# Altium PCB 1XGSH00_197制版1210.PcbDoc
Units mm, origin at the board's own origin, x right, y up, seen from the top; angles counter-clockwise.
Board outline 42 x 64 mm, 4 copper layers (Top Layer, GND, PWR, Bottom Layer), stack 0.778 mm thick; 144 components, 118 nets, 537 pads, 195 vias.
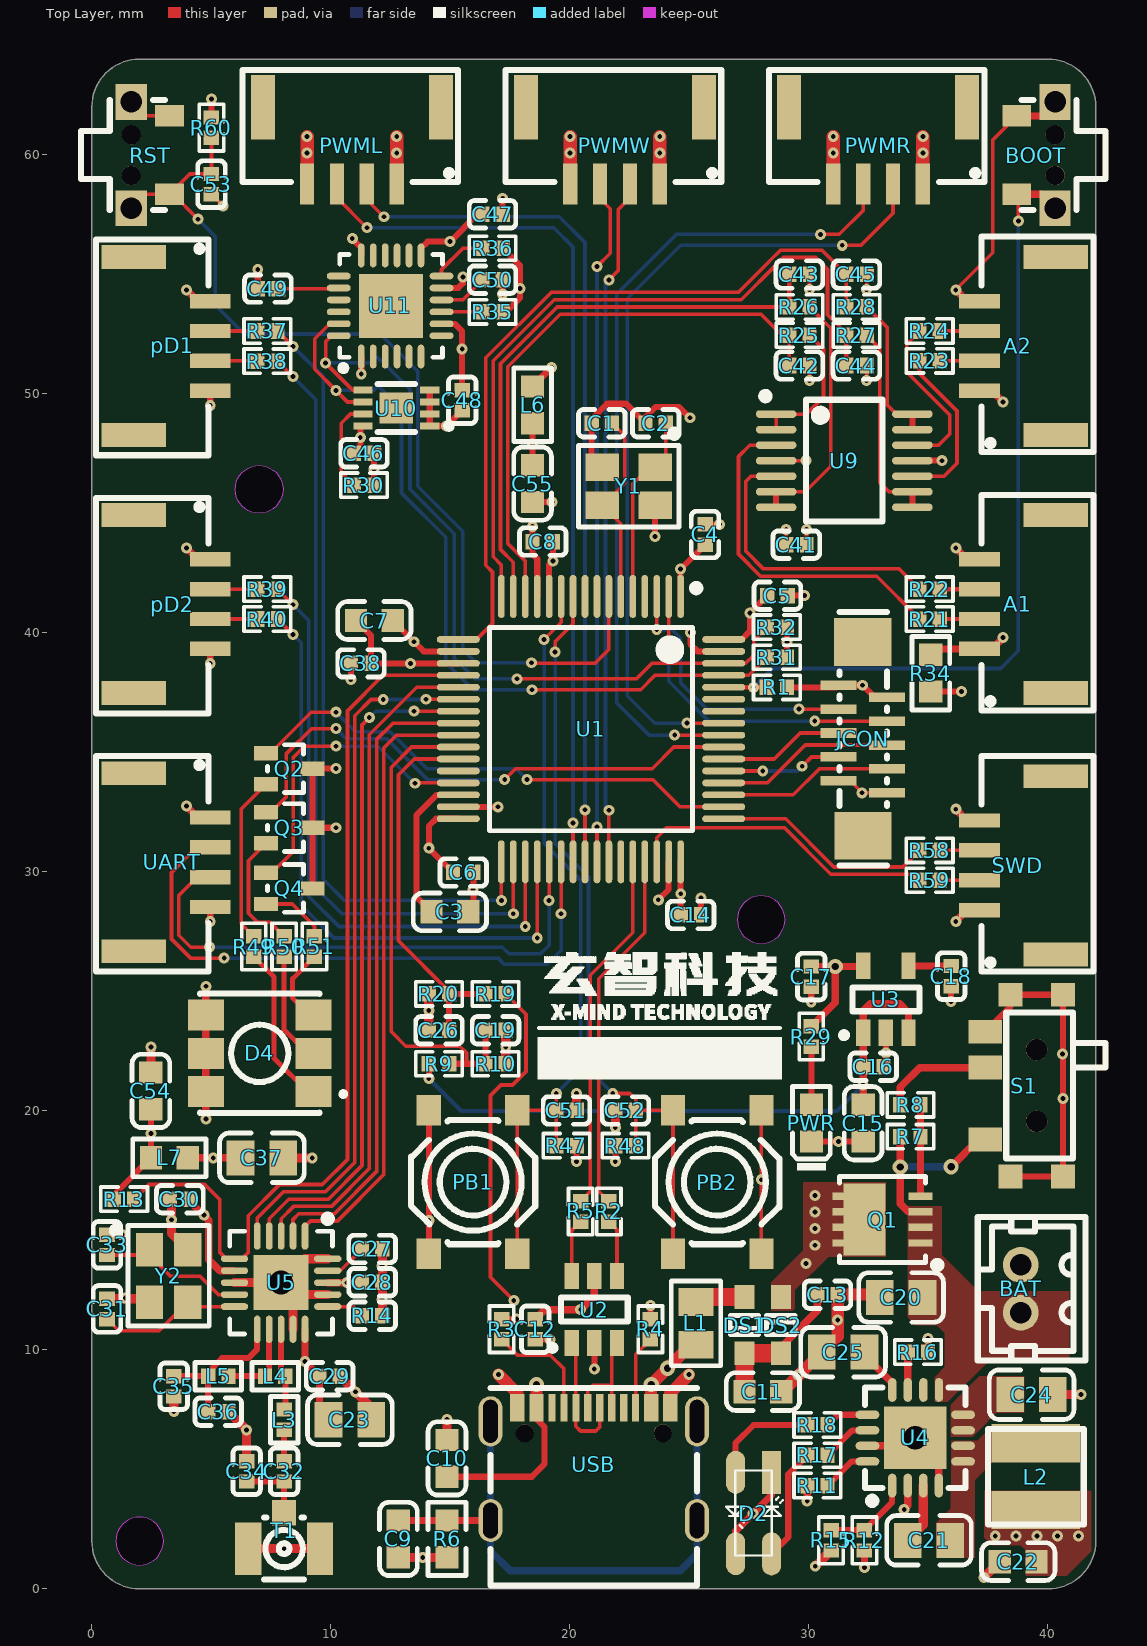
[diagram p0: Top Layer view]
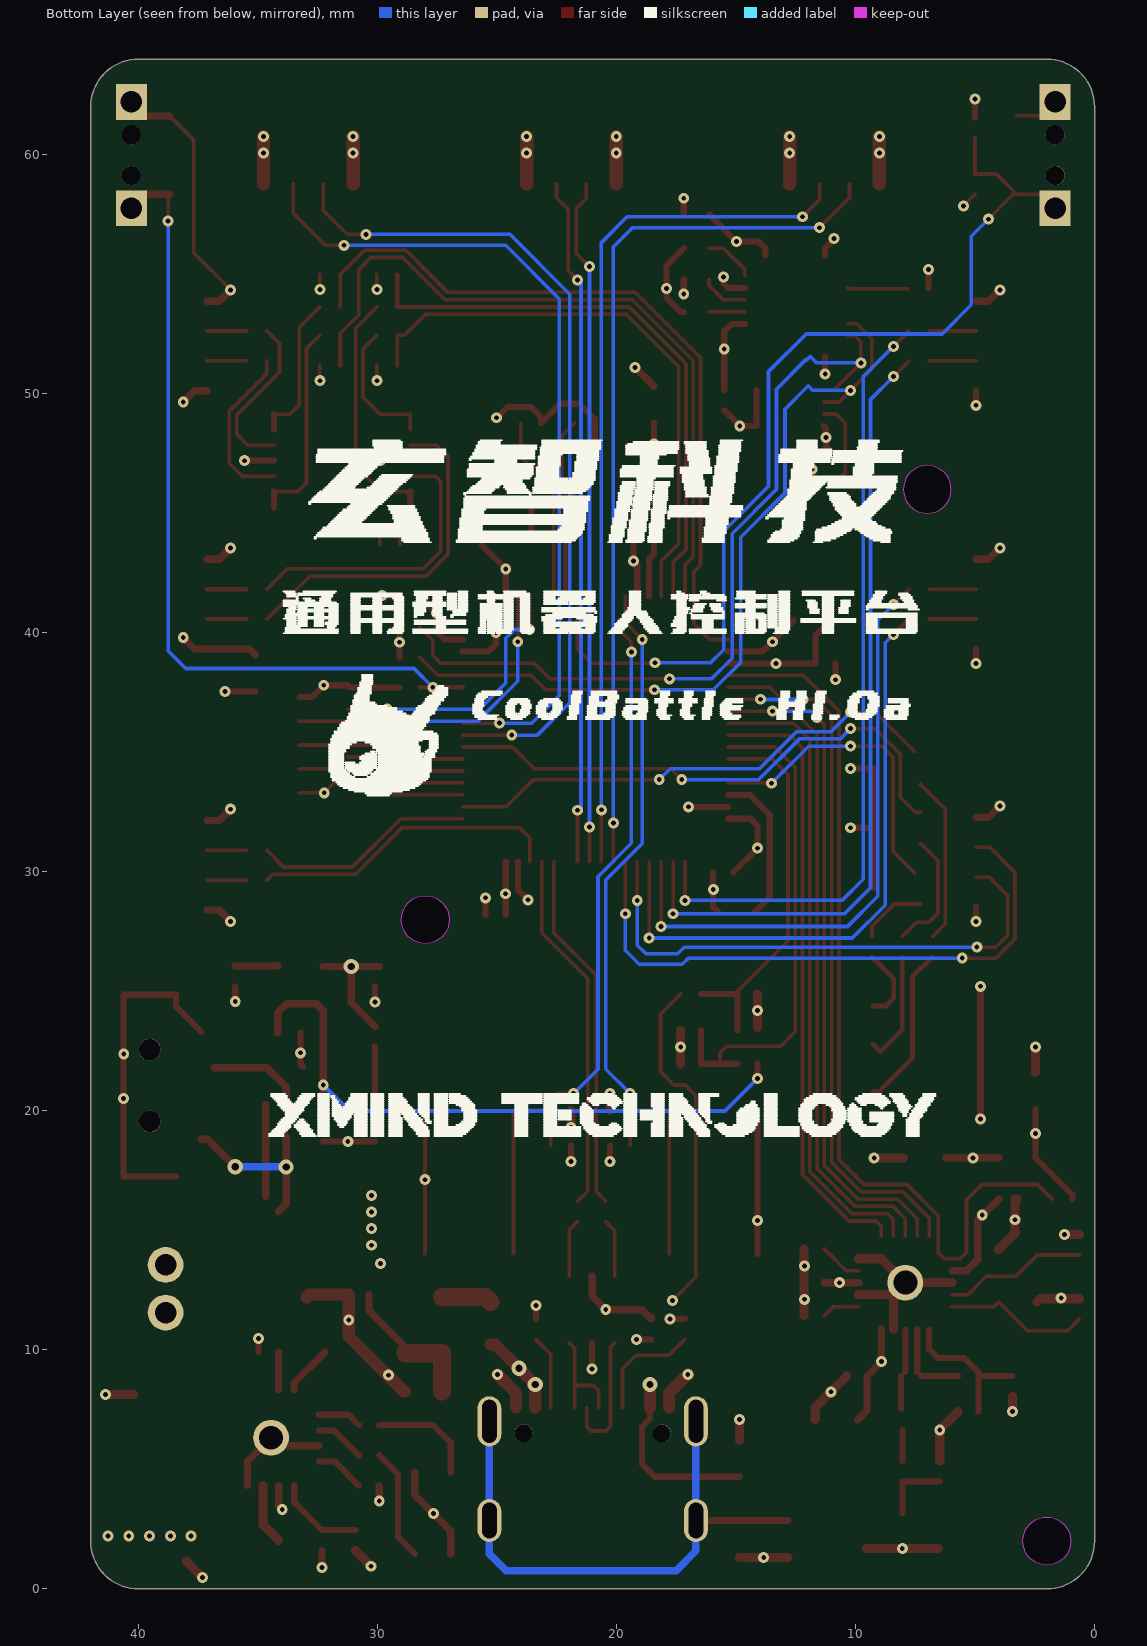
[diagram p1: Bottom Layer view, seen from below]
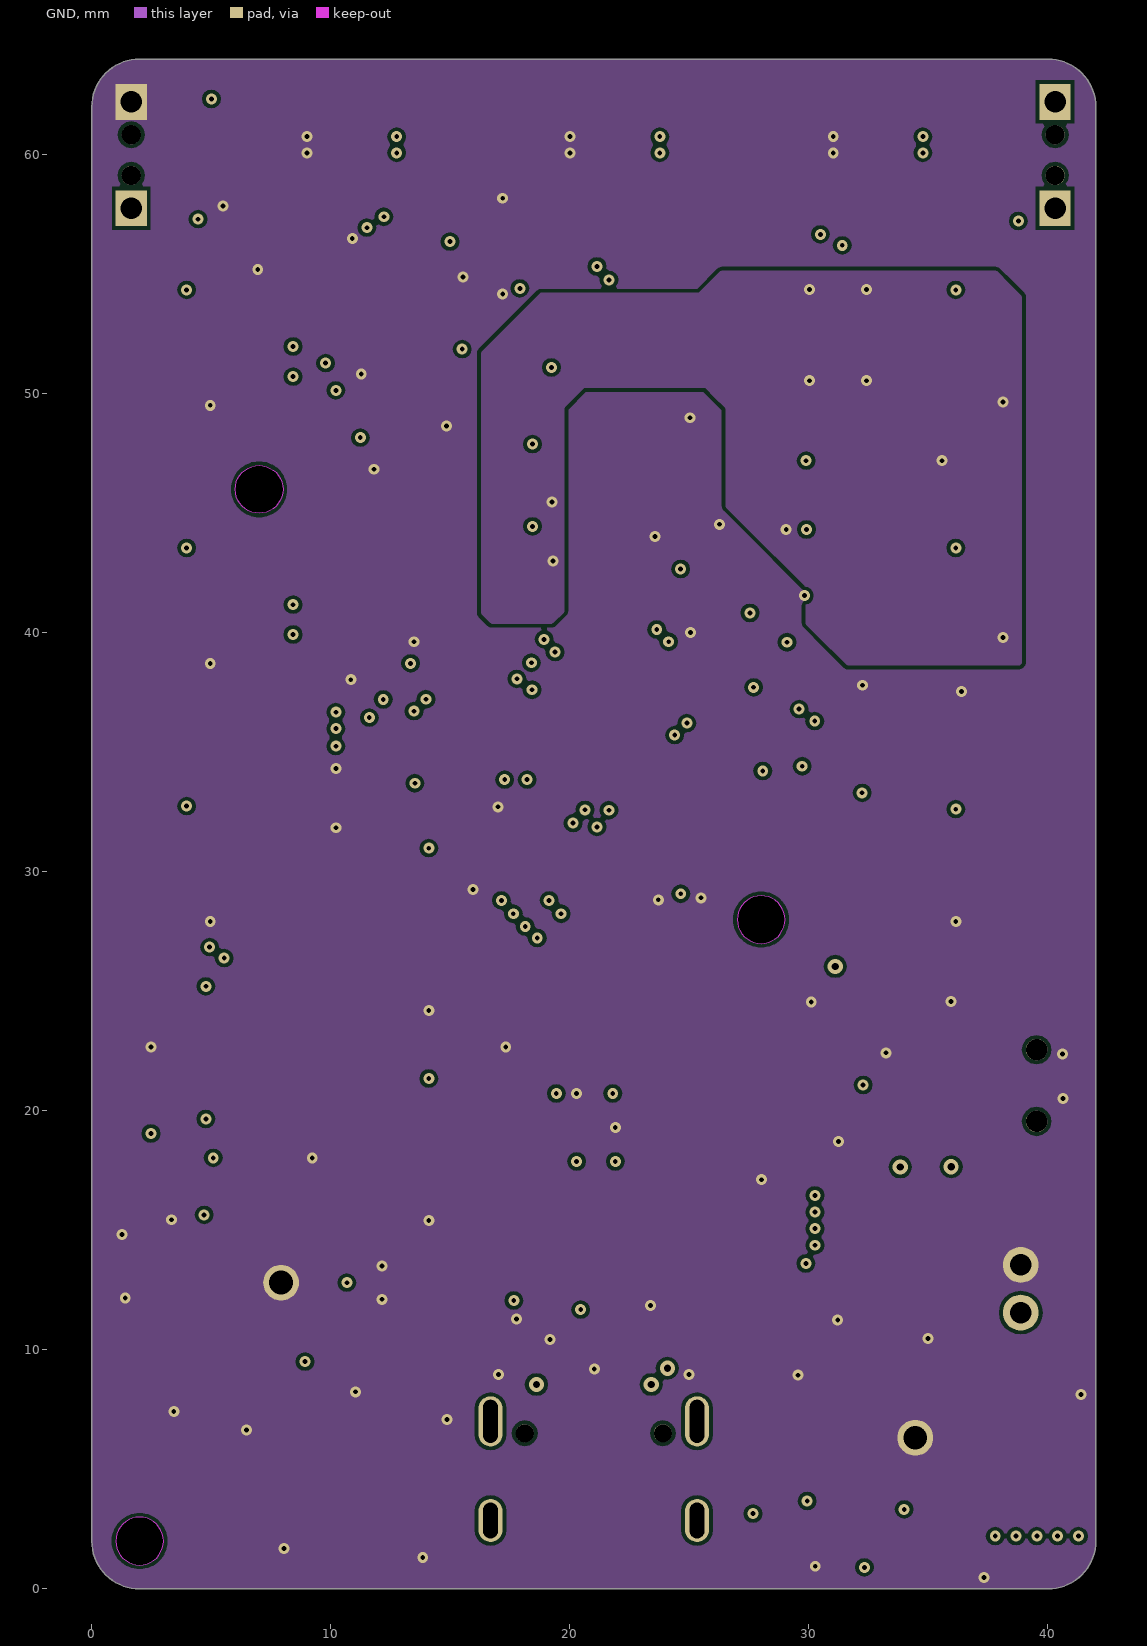
[diagram p2: GND]
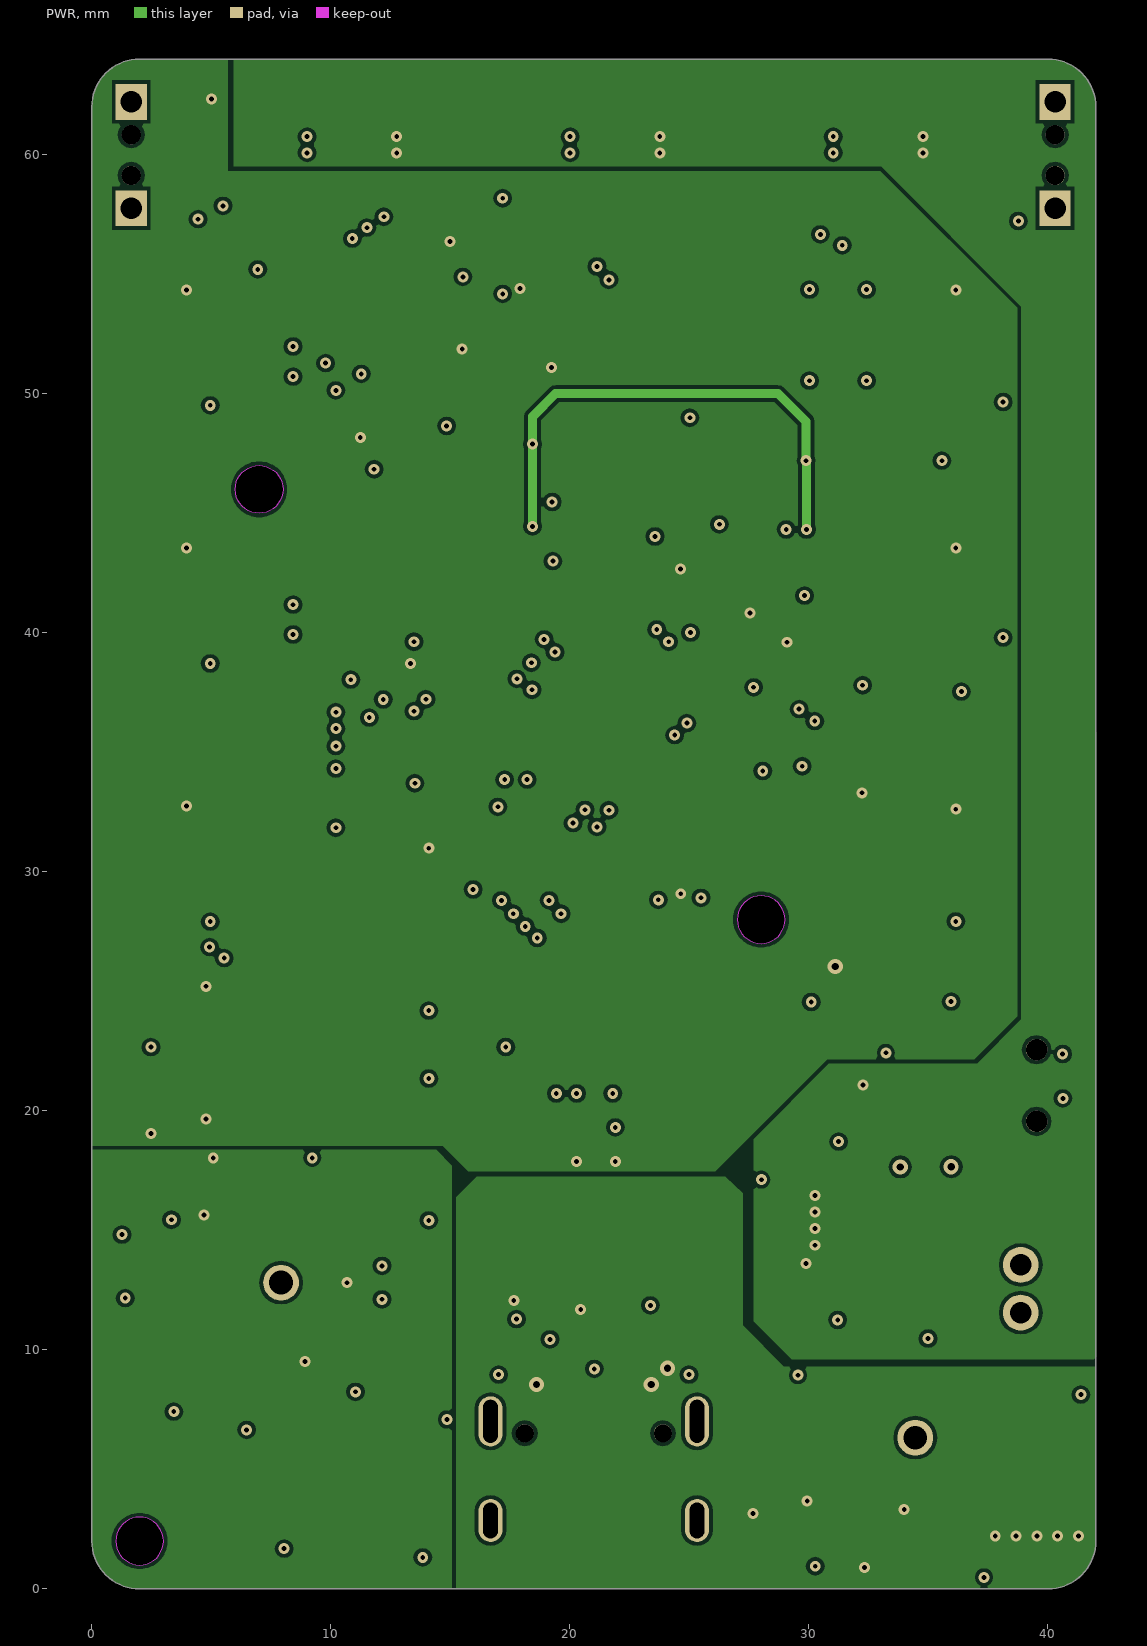
[diagram p3: PWR]
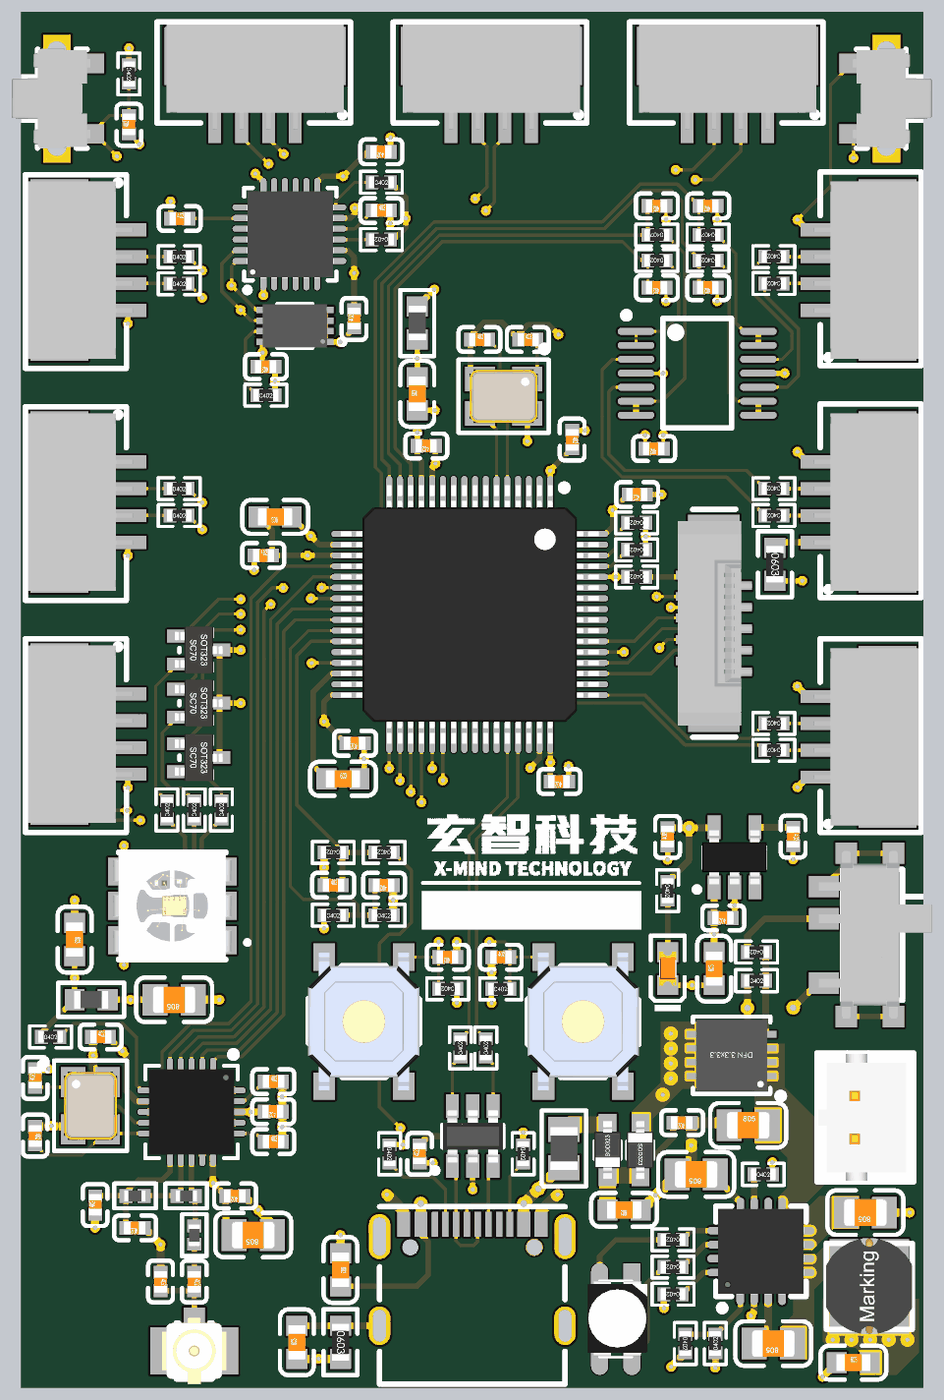
[diagram p4: 3D render of the assembled board from above, using the file's embedded part models]

## Layer stack, top to bottom
Top Solder: solder mask 0.0102, Solder Resist, Dk 3.5
Top Layer: signal copper 0.0356
Dielectric 1: core 0.254, FR-4, Dk 4.2
GND: signal copper 0.036
Dielectric 3: prepreg 0.127, Dk 4.2
PWR: signal copper 0.036
Dielectric 2: core 0.254, Dk 4.2
Bottom Layer: signal copper 0.0356
Bottom Solder: solder mask 0.0102, Solder Resist, Dk 3.5

## Board outline
0,2 ccw(c2,2) 2,0 40,0 ccw(c40,2) 42,2 42,62 ccw(c40,62) 40,64 2,64 ccw(c2,62) 0,62
cut-out: 7,45 cw(c7,46) 6,46 cw(c7,46) 7,47 cw(c7,46) 8,46 cw(c7,46)
cut-out: 27,28 ccw(c28,28) 28,27 ccw(c28,28) 29,28 ccw(c28,28) 28,29 ccw(c28,28)
cut-out: 1,2 ccw(c2,2) 2,1 ccw(c2,2) 3,2 ccw(c2,2) 2,3 ccw(c2,2)

## Design rules (kind name [scope] priority, off if disabled: settings)
Clearance [All] p1: gap=0.152 ignorepadtopadclearanceinfootprint=TRUE
DiffPairsRouting [All] p1: maxlimit=0.254 minlimit=0.152 mostfreqgap=0.203 toplayer_minwidth=0.152 toplayer_maxwidth=0.381 toplayer_prefwidth=0.203 midlayer1_minwidth=0.152 midlayer1_maxwidth=0.381 midlayer1_prefwidth=0.203 midlayer2_minwidth=0.152 midlayer2_maxwidth=0.381 midlayer2_prefwidth=0.203 bottomlayer_minwidth=0.152 bottomlayer_maxwidth=0.381 bottomlayer_prefwidth=0.203 maxuncoupledlength=12.7
PolygonConnect [All] p1: connectstyle=Direct reliefconductorwidth=0.254 reliefentries=4 polygonreliefangle="90 Angle" airgapwidth=0.254
RoutingVias [All] p1: holewidth=0.203 width=0.457 viastyle="Through Hole" minholewidth=0.203 minwidth=0.457 maxholewidth=0.711 maxwidth=1.27
SolderMaskExpansion [All] p1: expansion=0.102
Width [All] p1: maxlimit=0.762 minlimit=0.152 preferedwidth=0.203
29 further rules are at their usual default settings.

## Classes and differential pairs
component class U_1XGSH00_POWER: BAT C15 C16 C17 C18 C19 C20 C37 C54 C55 L6 L7 PWR Q1 R7 R8 R9 R10 R29 R34 S1 U3
component class U_1XGSH00_MOTOR: PWML PWMR PWMW
component class U_1XGSH00_MCU: BOOT C1 C2 C3 C4 C5 C6 C7 C8 C9 C10 C11 C12 C13 C14 C38 C53 DS1 DS2 L1 R1 R2 R3 R4 R5 R6 R58 R59 R60 RST SWD U1 U2 USB Y1
component class U_1XGSH00_LCD: JCON
component class U_1XGSH00_KEY_LED: C51 C52 D4 PB1 PB2 Q2 Q3 Q4 R47 R48 R49 R50 R51
component class U_1XGSH00_IMU: C47 C48 C49 C50 R35 R36 U11
component class U_1XGSH00_EEPROM: C46 R30 R31 R32 U10
component class U_1XGSH00_DIGITAL: pD1 pD2 R37 R38 R39 R40
component class U_1XGSH00_COMMUNICATION: C23 C27 C28 C29 C30 C31 C32 C33 C34 C35 C36 L3 L4 L5 R13 R14 T1 U5 Y2
component class U_1XGSH00_BATTERY: C21 C22 C24 C25 C26 D2 L2 R11 R12 R15 R16 R17 R18 R19 R20 U4
component class U_1XGSH00_ANALOG: A1 A2 C41 C42 C43 C44 C45 R21 R22 R23 R24 R25 R26 R27 R28 U9
component class 1XGSH00: UART
differential pair USBD: +USBD_P -USBD_N

## Components (designator, comment, footprint, x,y, rotation, side; value= is the part's Value field where it differs from the comment)
A1 "PH2.0-4Pin" X1251WRS-04HF-LPSW 38.735,41.2 r90 top
A2 "PH2.0-4Pin" X1251WRS-04HF-LPSW 38.735,52 r90 top
BAT "PH2.0" A2001WV-2P 38.862,12.557 r270 top
BOOT "Push Button" SW-SMD_TS-1010B-B-A 39.5,59.983 r270 top
C1 "12pF" 0402_C 21.336,48.768 r0 top
C2 "12pF" 0402_C 23.589,48.768 r0 top
C3 "4.7uF/16V" 0603_C 14.978,28.321 r0 top
C4 "100nF" 0402_C 25.654,44.113 r270 top
C5 "100nF" 0402_C 28.683,41.554 r180 top
C6 "100nF" 0402_C 15.538,29.972 r180 top
C7 "4.7uF" 0603_C 11.819,40.513 r180 top
C8 "100nF" 0402_C 18.862,43.815 r180 top
C9 "12pF" 0603_C 12.827,2.09 r90 top
C10 "10uF" 0603_C 14.859,5.461 r270 top
C11 "10uF" 0603_C 28.075,8.255 r180 top
C12 "100nF" 0402_C 18.547,10.863 r90 top
C13 "100nF" 0402_C 30.778,12.311 r180 top
C14 "100nF" 0402_C 25.058,28.194 r180 top
C15 "1uF/15V" 0603_C 32.268,19.483 r90 top
C16 "100nF/15V" 0402_C 32.693,21.844 r180 top
C17 "100nF/6.3V" 0402_C 30.097,25.616 r90 top
C18 "22nF/6.3V" 0402_C 35.95,25.635 r270 top
C19 "10nF/6.3V" 0402_C 16.891,23.368 r180 top
C20 "10uF/16V" 0805_C 33.858,12.192 r0 top
C21 "100nF/16V" 0805_C 35.024,2.032 r180 top
C22 "100nF/16V" 0603_C 38.755,1.143 r0 top
C23 "22uF/6.3V" 0805_C 10.796,7.079 r180 top
C24 "22uF/16V" 0805_C 39.315,8.128 r180 top
C25 "100nF/16V" 0805_C 31.431,9.906 r180 top
C26 "100nF/16V" 0402_C 14.522,23.368 r0 top
C27 "100nF/6.3V" 0402_C 11.728,14.224 r0 top
C28 "100nF/6.3V" 0402_C 11.728,12.827 r180 top
C29 "100nF/6.3V" 0402_C 9.95,8.901 r180 top
C30 "100nF/6.3V" 0402_C 3.683,16.307 r0 top
C31 "12pF" 0402_C 0.635,11.713 r270 top
C32 "1.5pF" 0402_C 8.045,4.92 r270 top
C33 "12pF" 0402_C 0.635,14.395 r90 top
C34 "1pF" 0402_C 6.477,4.92 r270 top
C35 "2.2nF" 0402_C 3.429,8.476 r90 top
C36 "4.7pF" 0402_C 5.29,7.416 r180 top
C37 "10uF/6.3V" 0805_C 7.113,18.034 r180 top
C38 "100nF" 0402_C 11.259,38.719 r0 top
C41 "100nF" 0402_C 29.474,43.688 r180 top
C42 "68pF" 0402_C 29.601,51.181 r180 top
C43 "68pF" 0402_C 29.601,54.991 r180 top
C44 "68pF" 0402_C 31.987,51.181 r180 top
C45 "68pF" 0402_C 31.987,54.991 r180 top
C46 "100nF" 0402_C 11.386,47.506 r180 top
C47 "100nF" 0402_C 16.764,57.506 r180 top
C48 "100nF" 0402_C 15.494,49.728 r90 top
C49 "2.2nF/6.3V" 0402_C 7.368,54.398 r0 top
C50 "2.2nF/6.3V" 0402_C 16.764,54.774 r0 top
C51 "100nF/6.3V" 0402_C 19.856,20.018 r180 top
C52 "100nF/6.3V" 0402_C 22.325,20.018 r0 top
C53 "100nF/6.3V" 0402_C 5.004,58.769 r90 top
C54 "10uF/6.3V" 0603_C 2.473,20.836 r270 top
C55 "10uF/6.3V" 0603_C 18.437,46.242 r90 top
D2 "LED-G" 3528_LED 27.686,3.175 r270 top
D4 "RGB_5050" LED_5050 7.021,22.403 r180 top
DS1 "S4" SOD-323 27.305,11.037 r90 top
DS2 "S4" SOD-323 28.829,11.037 r270 top
JCON "FPC Connector10" FPC-SMD_10P 32.258,35.56 r90 top
L1 "BLM21PG600SH1D" 0805_L 25.273,11.108 r90 top
L2 "2.2uH" INDUCTOR_4*4 39.497,4.696 r90 top
L3 "Inductor" 0402_L 8.045,7.079 r270 top value=3.9nH
L4 "Inductor" 0402_L 7.671,8.901 r0 top value=8.2nH
L5 "Inductor" 0402_L 5.29,8.901 r180 top value=2.7nH
L6 "BLM18PG600SH1D" 0603_L 18.437,49.538 r270 top
L7 "BLM18PG600SH1D" 0603_L 3.243,18.034 r0 top
PB1 "Push Button" SW-SMD_4P-L5.2-W5.2-P3.70-LS6.4 15.95,17.018 r90 top
PB2 "Push Button" SW-SMD_4P-L5.2-W5.2-P3.70-LS6.4 26.162,17.018 r270 top
pD1 "PH2.0-4Pin" X1251WRS-04HF-LPSW 3.355,52 r270 top
pD2 "PH2.0-4Pin" X1251WRS-04HF-LPSW 3.355,41.2 r270 top
PWML "PH2.0-4Pin" X1251WRS-04HF-LPSW 10.88,60.376 r180 top
PWMR "PH2.0-4Pin" X1251WRS-04HF-LPSW 32.893,60.376 r180 top
PWMW "PH2.0-4Pin" X1251WRS-04HF-LPSW 21.886,60.376 r180 top
PWR "LED" 0603_LED_S1 30.107,19.483 r90 top
Q1 "NCE20P45Q" DFN3.3*3.3 33.081,15.453 r90 top
Q2 "DTC114EUA" SC-70(SC-70-3) 8.255,34.315 r180 top
Q3 "DTC114EUA" SC-70(SC-70-3) 8.255,31.844 r180 top
Q4 "DTC114EUA" SC-70(SC-70-3) 8.255,29.304 r180 top
R1 "10K" 0402_R 28.659,37.719 r180 top value=1K
R2 "22R" 0402_R 21.633,15.792 r90 top value=1K
R3 "5.1K" 0402_R 17.145,10.863 r270 top value=1K
R4 "5.1K" 0402_R 23.368,10.863 r270 top value=1K
R5 "22R" 0402_R 20.447,15.792 r90 top value=1K
R6 "1M" 0603_R 14.859,2.09 r270 top value=1K
R7 "100K" 0402_R 34.246,18.923 r0 top value=1K
R8 "10R" 0402_R 34.246,20.253 r180 top value=1K
R9 "33K/1%" 0402_R 14.522,21.971 r0 top value=1K
R10 "20K/1%" 0402_R 16.891,21.971 r0 top value=1K
R11 "47K" 0402_R 30.353,4.325 r180 top value=1K
R12 "10K" 0402_R 32.322,2.032 r90 top value=1K
R13 "470K" 0402_R 1.353,16.307 r0 top value=1K
R14 "22K" 0402_C 11.728,11.43 r0 top value=1K
R15 "10K" 0402_R 30.925,2.032 r270 top value=1K
R16 "3.3K/1%" 0402_R 34.559,9.906 r0 top value=1K
R17 "1K" 0402_R 30.353,5.591 r180 top
R18 "1K" 0402_R 30.353,6.858 r180 top
R19 "10K/1%" 0402_R 16.891,24.892 r180 top value=1K
R20 "10K/1%" 0402_R 14.522,24.892 r180 top value=1K
R21 "100R" 0402_R 35.052,40.575 r180 top value=1K
R22 "100R" 0402_R 35.052,41.825 r180 top value=1K
R23 "100R" 0402_R 35.052,51.375 r180 top value=1K
R24 "100R" 0402_R 35.052,52.625 r180 top value=1K
R25 "100R" 0402_R 29.601,52.451 r180 top value=1K
R26 "100R" 0402_R 29.601,53.63 r180 top value=1K
R27 "100R" 0402_R 31.987,52.451 r180 top value=1K
R28 "100R" 0402_R 31.987,53.63 r180 top value=1K
R29 "470R" 0402_R 30.097,23.107 r270 top value=1K
R30 "10K" 0402_R 11.386,46.177 r0 top value=1K
R31 "4.7K" 0402_R 28.659,38.976 r180 top value=1K
R32 "4.7K" 0402_R 28.659,40.234 r180 top value=1K
R34 "0R" 0603_R 35.103,38.308 r270 top value=1K
R35 "10K" 0402_R 16.764,53.425 r180 top value=1K
R36 "10K" 0402_R 16.764,56.088 r0 top value=1K
R37 "33R" 0402_R 7.344,52.625 r0 top value=1K
R38 "33R" 0402_R 7.344,51.365 r0 top value=1K
R39 "33R" 0402_R 7.344,41.825 r0 top value=1K
R40 "33R" 0402_R 7.344,40.576 r0 top value=1K
R47 "10K" 0402_R 19.856,18.542 r180 top value=1K
R48 "10K" 0402_R 22.325,18.542 r0 top value=1K
R49 "100R" 0402_R 6.774,26.873 r90 top value=1K
R50 "100R" 0402_R 8.044,26.873 r90 top value=1K
R51 "100R" 0402_R 9.314,26.873 r90 top value=1K
R58 "33R" 0402_R 35.052,30.898 r180 top value=1K
R59 "33R" 0402_R 35.052,29.648 r180 top value=1K
R60 "10K" 0402_R 5.004,61.131 r270 top value=1K
RST "Push Button" SW-SMD_TS-1010B-B-A 2.451,59.983 r90 top
S1 "SK-3296S-01-L1" SW-SMD_3P-SK-3296S-01-L1 39,21.058 r90 top
SWD "PH2.0-4Pin" X1251WRS-04HF-LPSW 38.735,30.273 r90 top
T1 "Antenna" IPEX1-K501-29 8.045,2.436 r0 top
U1 "STM32F411RET6" LQFP-64_10x10x05P 20.883,35.969 r180 top
U2 "USBLC6-2SC6" SOT-23-6 20.96,11.69 r90 top
U3 "SPX3819M5-L-3-3/TR" SOT-23-5 33.218,24.666 r90 top
U4 "SLM6800" QFN-16_L4.0-W4.0-P0.65-LS4.2-BL-EP 34.449,6.325 r0 top
U5 "Si24R1" QFN-20_4x4x05P 7.919,12.811 r180 top
U9 "TLV2374IPWR" TSSOP-14 31.479,47.199 r270 top
U10 "M24C32" UDFN-8L 12.737,49.403 r90 top
U11 "IMU MPU6050" QFN-24_4x4x05P 12.521,53.675 r0 top
UART "PH2.0-4Pin" X1251WRS-04HF-LPSW 3.355,30.4 r270 top
USB "USB TypeC" "USB_TypeC_16Pin (2.0)" 21.252,4.318 r0 top
Y1 "8.000MHz" SMD-3225_4P 22.463,46.002 r180 top
Y2 "16MHz" SMD-3225_4P 3.34,13.098 r270 top

## Footprints (in the part's own frame and the unit in brackets; to place one, negate y for a bottom-side part, rotate by r counter-clockwise, add the part's x,y. Pads: shape width x height; smd on the part's side, far side on the other; paste and mask are expansions set on the pad)
0402_C [mm]
  rect 0.6x0.65 smd mask+0.051: 1(-0.425,0) 2(0.425,0)
  silkscreen extent -0.97,-0.58 0.97,0.58, body extent -0.48,-0.3 0.52,0.3, height 0.2
0402_L [mm]
  rect 0.6x0.65 smd mask+0.051: 1(-0.425,0) 2(0.425,0)
  silkscreen extent -0.97,-0.58 0.97,0.58, body extent -0.51,-0.26 0.54,0.26, height 0.36
0402_R [mm]
  rect 0.6x0.65 smd mask+0.051: 1(-0.425,0) 2(0.425,0)
  silkscreen extent -0.97,-0.51 0.97,0.51, body extent -0.57,-0.27 0.58,0.28, height 0.41
0603_C [mm]
  rect 0.93x0.98 smd: 1(-0.77,0) 2(0.77,0)
  silkscreen extent -1.53,-0.79 1.54,0.79, body extent -0.8,-0.4 0.8,0.4, height 0.3
0603_L [mm]
  rect 0.93x0.98 smd: 1(-0.77,0) 2(0.77,0)
  silkscreen extent -1.54,-0.79 1.53,0.79, body extent -0.82,-0.41 0.83,0.41, height 0.46
0603_LED_S1 [mm]
  rect 0.93x0.98 smd: 1(0.77,0) 2(-0.77,0)
  silkscreen extent -1.97,-0.79 1.53,0.79, body extent -0.8,-0.4 0.8,0.4, height 0.6
0603_R [mm]
  rect 0.93x0.98 smd: 1(-0.77,0) 2(0.77,0)
  silkscreen extent -1.53,-0.79 1.54,0.79, body extent -0.85,-0.4 0.85,0.4, height 0.56
0805_C [mm]
  rect 1.16x1.47 smd: 1(-0.89,0) 2(0.89,0)
  silkscreen extent -1.77,-1.04 1.77,1.04, body extent -1,-0.62 1,0.63, height 0.77
0805_L [mm]
  rect 1.16x1.47 smd: 1(-0.89,0) 2(0.89,0)
  silkscreen extent -1.77,-1.03 1.77,1.04, body extent -1.02,-0.64 1.03,0.64, height 0.6
3528_LED [mm]
  rect 1.8x0.8 smd mask+0.051: 1(-1.7,0.75)
  oval 1.8x0.8 smd mask+0.051: 2(1.71,0.75) 3(-1.7,-0.75) 4(1.7,-0.75)
  silkscreen extent -1.78,-1.14 1.78,1.22, body extent -1.78,-1.33 1.72,1.47, height 1.75
A2001WV-2P [mm]
  round 1.5 hole 0.9: 1(1,0) 2(-1,0)
  silkscreen extent -3,-1.8 3,2.7, body extent -2.95,-1.74 2.95,2.76, height 6
DFN3.3*3.3 [mm] "SON, 8-Leads, Body 3.25x3.25mm, Pitch 0.65mm, IPC Low Density"
  rect 0.3x1 smd: D(-0.975,1.59) D(-0.325,1.59) D(0.325,1.59) D(0.975,1.59) G(0.975,-1.59) S(-0.975,-1.59) S(-0.325,-1.59) S(0.325,-1.59)
  rect 3x1.75 smd: D(0,0.75)
  silkscreen extent -1.95,-2.34 1.8,1.8, body extent -1.65,-1.66 1.65,1.66, height 0.75
FPC-SMD_10P [mm]
  rect 2x2.4 smd: 0(-4.055,-0.004) 0(4.055,0.01)
  rect 0.4x1.5 smd: 1(-2.255,-1.014) 2(-1.755,1.014) 3(-1.255,-1.014) 4(-0.754,1.014) 5(-0.256,-1.014) 6(0.246,1.014) 7(0.744,-1.014) 8(1.247,1.014) 9(1.745,-1.014) 10(2.245,1.014)
  silkscreen extent -5.3,-1.01 5.3,0.99, body extent -4.75,-1.78 4.75,1.67, height 4.15
INDUCTOR_4*4 [mm]
  rect 1.6x3.7 smd: 1(-1.4,0) 2(1.4,0)
  silkscreen extent -2,-2 2,2, body extent -2.25,-2 2.25,2, height 3.18
IPEX1-K501-29 [mm]
  rect 1.1x2.2 smd: 1(-1.5,-0.75) 3(1.5,-0.75)
  rect 1x1.05 smd: 2(0,0.75)
  silkscreen extent -0.84,-2.05 0.84,0.55, body extent -1.5,-2.3 1.5,0.8, height 1.25
LED_5050 [mm]
  rect 1.5x1.3 smd: 1(-2.25,1.6) 2(-2.25,0) 3(-2.25,-1.6) 4(2.25,-1.6) 5(2.25,0) 6(2.25,1.6)
  silkscreen extent -3.57,-2.5 2.5,2.5, body extent -2.75,-2.5 2.75,2.5, height 1.6
LQFP-64_10x10x05P [mm]
  oval 0.28x1.8 smd mask+0.051: 1(-3.75,-5.55) 2(-3.25,-5.55) 3(-2.75,-5.55) 4(-2.25,-5.55) 5(-1.75,-5.55) 6(-1.25,-5.55) 7(-0.75,-5.55) 8(-0.25,-5.55) 9(0.25,-5.55) 10(0.75,-5.55) 11(1.25,-5.55) 12(1.75,-5.55) 13(2.25,-5.55) 14(2.75,-5.55) 15(3.25,-5.55) 16(3.75,-5.55) 33(3.75,5.55) 34(3.25,5.55) 35(2.75,5.55) 36(2.25,5.55) 37(1.75,5.55) 38(1.25,5.55) 39(0.75,5.55) 40(0.25,5.55) 41(-0.25,5.55) 42(-0.75,5.55) 43(-1.25,5.55) 44(-1.75,5.55) 45(-2.25,5.55) 46(-2.75,5.55) 47(-3.25,5.55) 48(-3.75,5.55)
  oval 1.8x0.28 smd mask+0.051: 17(5.55,-3.75) 18(5.55,-3.25) 19(5.55,-2.75) 20(5.55,-2.25) 21(5.55,-1.75) 22(5.55,-1.25) 23(5.55,-0.75) 24(5.55,-0.25) 25(5.55,0.25) 26(5.55,0.75) 27(5.55,1.25) 28(5.55,1.75) 29(5.55,2.25) 30(5.55,2.75) 31(5.55,3.25) 32(5.55,3.75) 49(-5.55,3.75) 50(-5.55,3.25) 51(-5.55,2.75) 52(-5.55,2.25) 53(-5.55,1.75) 54(-5.55,1.25) 55(-5.55,0.75) 56(-5.55,0.25) 57(-5.55,-0.25) 58(-5.55,-0.75) 59(-5.55,-1.25) 60(-5.55,-1.75) 61(-5.55,-2.25) 62(-5.55,-2.75) 63(-5.55,-3.25) 64(-5.55,-3.75)
  silkscreen extent -4.55,-6.05 4.25,4.25, body extent -6.01,-6.01 6.01,6.01, height 1.6
QFN-16_L4.0-W4.0-P0.65-LS4.2-BL-EP [mm]
  rect 2.6x2.6 smd: 0(0,0)
  oval 0.35x0.996 smd: 1(-0.965,-2) 2(-0.315,-2) 3(0.335,-2) 4(0.986,-2) 9(0.991,2) 10(0.34,2) 11(-0.31,2) 12(-0.96,2)
  oval 0.996x0.35 smd: 5(2,-0.991) 6(2,-0.34) 7(2,0.31) 8(2,0.96) 13(-2,0.96) 14(-2,0.31) 15(-2,-0.34) 16(-2,-0.991)
  silkscreen extent -2.1,-2.79 2.1,2.1, body extent -2,-2 2,2, height 0.92
QFN-20_4x4x05P [mm]
  rect 2.3x2.3 smd mask+0.051: 0(0,0)
  oval 0.28x1.143 smd mask+0.051: 1(-1,-1.95) 2(-0.5,-1.95) 3(0,-1.95) 4(0.5,-1.95) 5(1,-1.95) 11(1,1.95) 12(0.5,1.95) 13(0,1.95) 14(-0.5,1.95) 15(-1,1.95)
  oval 1.143x0.28 smd mask+0.051: 6(1.95,-1) 7(1.95,-0.5) 8(1.95,0) 9(1.95,0.5) 10(1.95,1) 16(-1.95,1) 17(-1.95,0.5) 18(-1.95,0) 19(-1.95,-0.5) 20(-1.95,-1)
  silkscreen extent -2.15,-2.82 2.15,2.15, body extent -2.01,-2.01 2.01,2.01, height 0.78